# Altium PCB Wireless Security Board.PcbDoc (part 2 of 2)
Units mm, origin at the board's own origin, x right, y up, seen from the top; angles counter-clockwise.
Board outline 93.12 x 91.81 mm, 4 copper layers (Top Layer, GROUND, POWER, Bottom Layer), stack 1.369 mm thick; 128 components, 88 nets, 455 pads, 172 vias.
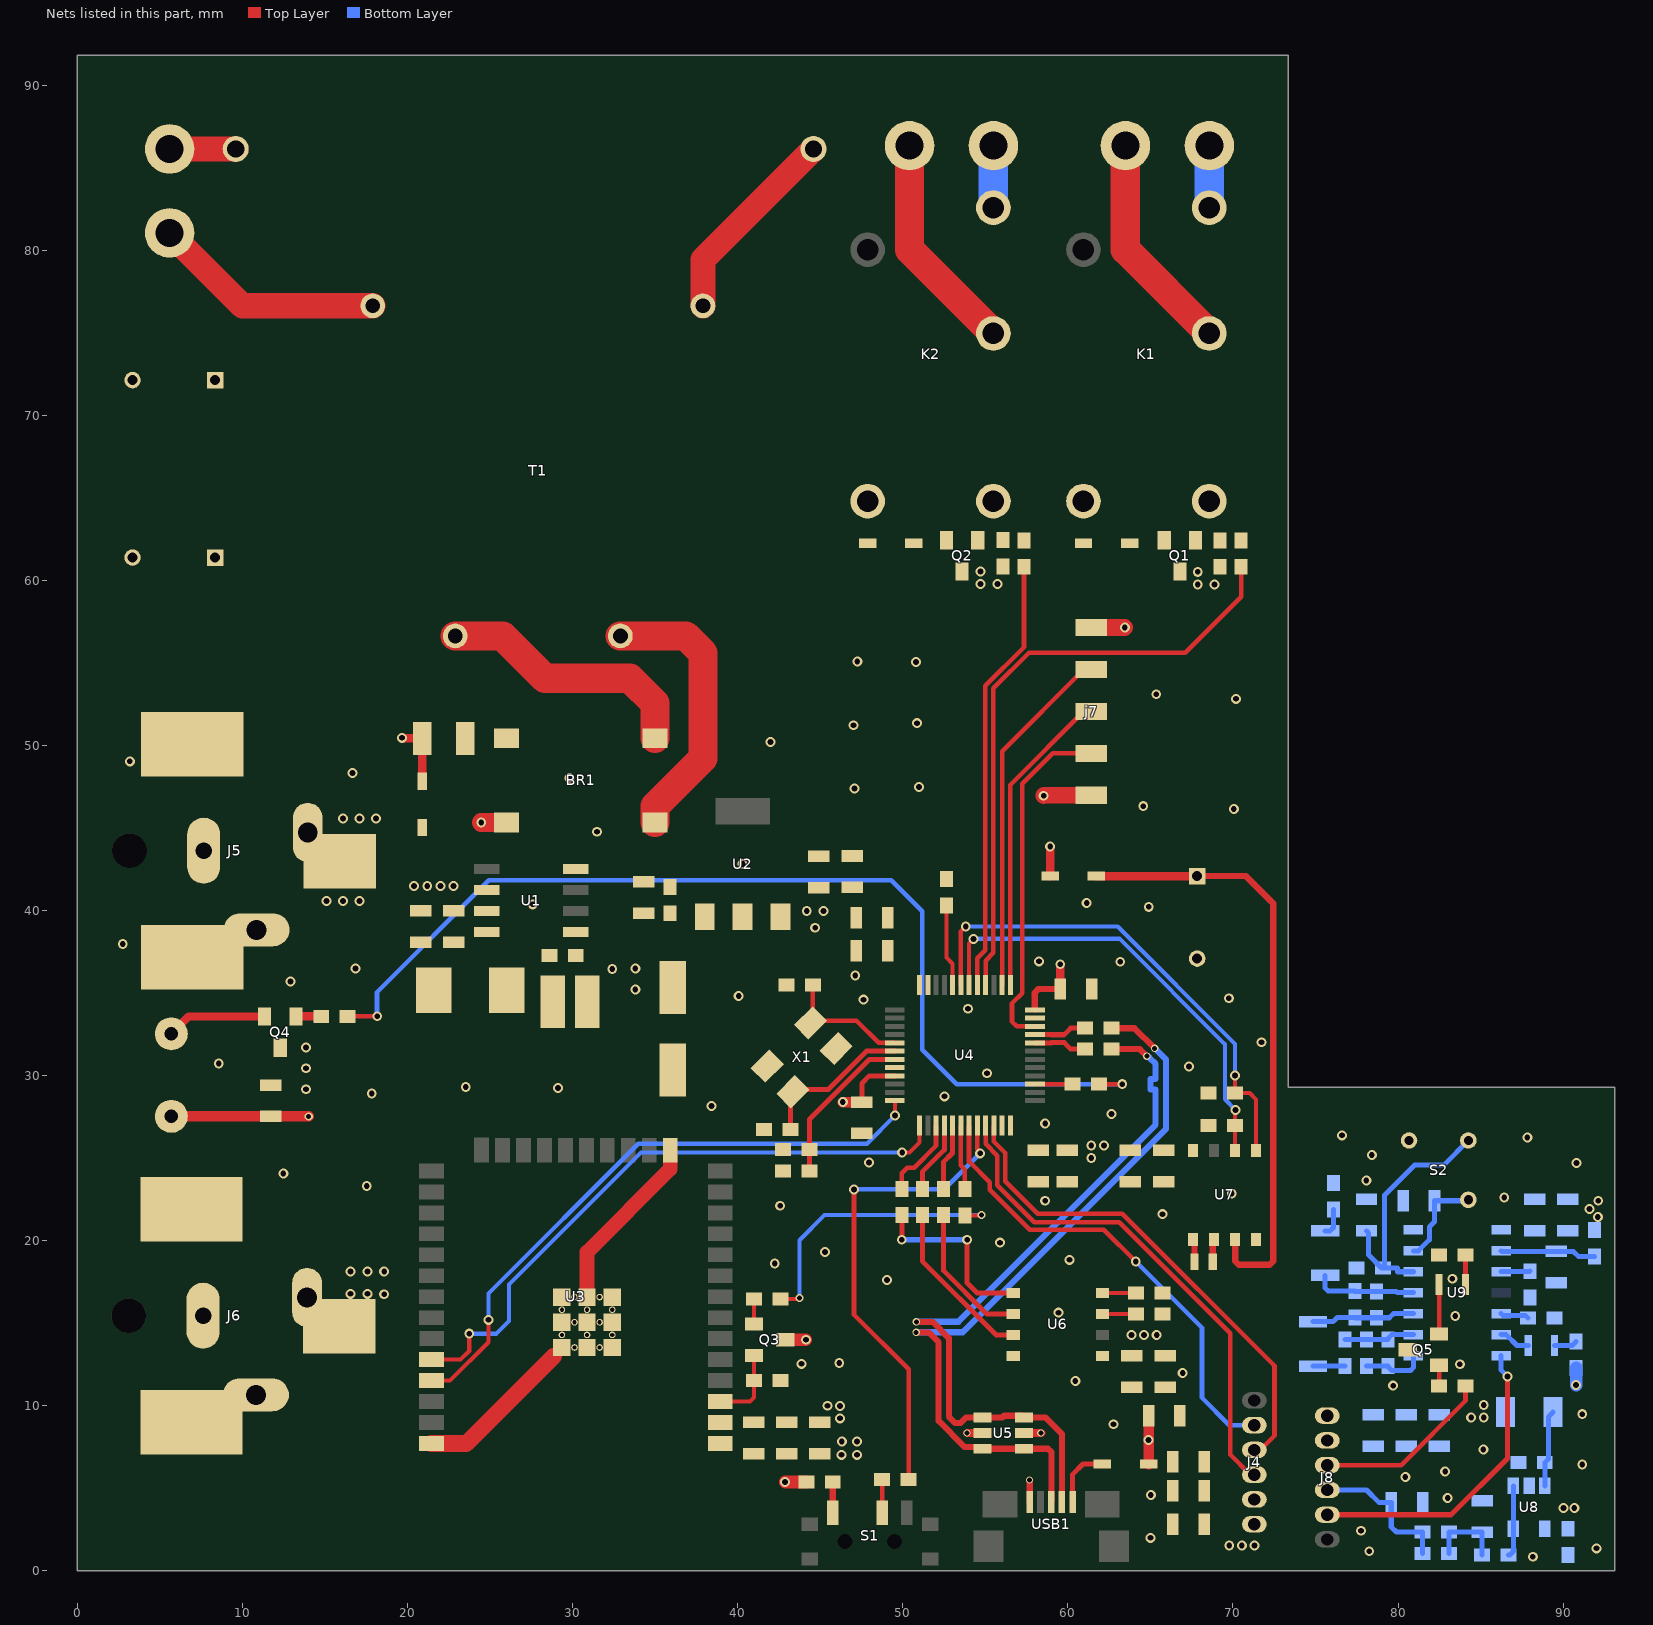
[diagram p4: the nets of this part, all layers, seen from the top]

## Via types
v1: diameter 0.6, hole 0.35, Top Layer to Bottom Layer, tented both sides, 162 vias
v2: diameter 0.45, hole 0.3, Top Layer to Bottom Layer, tented both sides, 7 vias
v3: diameter 0.5, hole 0.3, Top Layer to Bottom Layer, tented both sides, 3 vias

## Nets (pads, with @x,y where several pads share a name; then routed paths per layer and width w, separated by ;. In a path a pad name is that pad's centre, name@x,y a point inside that pad or via, vN(x,y) a via of type N, cw(c..) or ccw(c..) an arc to the next point about the centre after c; other vN are vias at no path point)
3V3DC: C5.2 C6.2 C10.2 C11.2 C12.2 C14.2 C18.2 C19.2 C20.2 C21.2 C22.2 C23.2 C25.2 C26.2 C27.2 C29.2 C30.2 C31.2 D6.2 J4.1 j7.1 R8.1 R16.2 R17.2 R18.2 R19.2 R23.2 U2.3 U3.2 U4.9 U4.24 U4.36 U4.48 U5.5 U6.5 U7.8 | length 15.6
  Top Layer w0.254: j7.1@61.378,46.965 j7.1@61.404,46.99
  Top Layer w0.305: C26.2@47.523,28.407 47.523,29.54 47.975,29.992 U4.9@49.512,29.992
  Top Layer w0.381: U4.36@57.989,34.032 57.989,35.032 58.212,35.255 C22.2@59.538,35.255
  Top Layer w0.508: U5.5@57.333,8.357 v2@58.38,8.357 ; D6.2@58.922,42.088 58.922,43.885 v1(58.928,43.891) ; C22.2@59.538,35.255 v1(59.538,36.754)
  Top Layer w0.635: v1(46.365,28.407) C26.2@47.523,28.407
  Top Layer w0.762: v1(42.868,5.392) R23.2@44.154,5.392
  Top Layer w1.016: v1(58.534,46.965) 58.559,46.99 61.366,46.99 j7.1@61.378,46.978
  other v1: 69.774,1.549 70.536,1.549 71.298,1.549 46.203,9.246 45.441,10.008 46.201,9.998 63.856,14.3 64.618,14.3 65.38,14.3 61.417,25.019 61.417,25.781 62.179,25.781 44.691,38.964 44.183,39.98 45.199,39.98
  other v2: 58.365,8.358
3V3DC_S: C38.2 C42.2 C43.2 C44.2 C45.2 C46.2 J8.1 R34.2 R36.2 R38.2 RT1.2 U8.5 U9.14 | length 1.1
  Bottom Layer w0.762: R34.2@90.788,12.307 v1(90.788,11.269) v1@90.805,11.252
  other v1: 90.018,3.81 90.678,3.81 84.43,9.296 85.192,9.296 85.192,10.058 92.1,21.438 91.592,21.92 92.126,22.428
5VDC: BZ1.1 C2.2 C3.2 C7.2 C13.2 C24.2 D5.1 J6.1 L1.2 U1.4 U2.1 | length 11.2
  Top Layer w0.508: BZ1.1@5.688,27.542 BZ1.1@5.696,27.534
  Top Layer w0.635: BZ1.1@5.696,27.534 C24.2@11.721,27.534 v3(14.007,27.534) ; C13.2@64.887,9.398 64.887,6.478 D5.1@64.888,6.477
  other v1: 64.887,7.938 18.579,16.764 16.547,16.789 17.563,16.789 16.547,18.136 17.563,18.136 18.579,18.136 33.794,35.23 32.397,36.474 33.794,36.5
12VDC: C1.2 C47.2 D2.1 D3.1 D4.1 J5.1 K1.5 K2.5 U1.7
  other v1: 15.088,40.587 16.088,40.587 17.088,40.587 20.388,41.487 21.188,41.487 21.988,41.487 22.788,41.487 16.088,45.587 17.088,45.587 18.088,45.587
"AC LİNE 1": j1.2 R1.1 | length 4
  Top Layer w1.524: j1.2@5.588,86.142 R1.1@9.588,86.142
"AC LİNE 2": j1.1 T1.1 | length 14.1
  Top Layer w1.524: j1.1@5.588,81.062 10.008,76.642 T1.1@17.888,76.642
BUZZER: R13.2 R14.1 | length 62.7
  Top Layer w0.279: R14.1@16.37,33.604 v1(18.161,33.604) ; R13.2@61.899,29.477 R13.2@61.886,29.489 v1@63.297,29.489
  Bottom Layer w0.279: v1@18.148,33.604 18.148,35.064 24.925,41.842 49.294,41.842 51.181,39.954 51.181,31.572 53.264,29.489 v1(63.292,29.489)
GND: BR1.4 C1.1 C2.1 C3.1 C5.1 C6.1 C7.1 C8.2 C9.2 C10.1 C11.1 C12.1 C13.1 C14.1 C15.1 C16.1 C17.1 C18.1 C19.1 C20.1 C21.1 C22.1 C23.1 C24.1 C25.1 C26.1 C27.1 C28.2 C29.1 C30.1 C31.1 C47.1 D1.1 J4.2 J5.2 J5.3 J6.2 J6.3 j7.5 Q1.3 Q2.3 Q3.3 Q4.3 R4.1 R5.1 R6.1 R7.1 U1.6 U2.2 U3.1 U3.15 U3.38 U3.39 U3.40 U4.8 U4.23 U4.35 U4.47 U5.2 U6.4 U7.4 USB1.5 X1.2 X1.4 | length 27.7
  Top Layer w0.381: USB1.5@57.688,4.177 v2@57.688,5.512
  Top Layer w0.508: U1.6@24.788,41.247 U1.6@24.8,41.236 ; v2@53.902,8.357 U5.2@54.833,8.357
  Top Layer w0.762: Q3.3@42.882,14.006 v1(44.13,14.006)
  Top Layer w0.889: U3.39@30.873,16.59 30.873,19.318 35.908,24.353 U3.15@35.908,25.484
  Top Layer w1.016: U3.38@21.443,7.724 23.554,7.724 28.837,13.007 ; j7.5@61.404,57.15 v1(63.449,57.15)
  Top Layer w1.143: v1(24.46,45.342) BR1.4@25.988,45.342
  other v1: 64.999,2.007 65.024,4.597 46.279,7.036 47.219,7.036 46.304,7.849 47.219,7.849 62.763,8.89 60.452,11.506 66.954,11.989 43.866,12.548 46.152,12.598 59.436,15.646 49.047,17.628 42.24,18.618 60.096,18.847 45.288,19.329 55.88,19.888 65.735,21.615 42.57,22.123 58.623,22.428 69.926,22.86 17.526,23.317 12.471,24.079 47.955,24.74 58.623,27.102 62.636,27.686 38.405,28.169 52.527,28.753 17.831,28.931 13.843,29.185 29.108,29.261 23.52,29.312 55.093,30.15 13.843,30.455 67.335,30.556 8.56,30.734 13.843,31.712 71.73,32.029 53.95,34.061 47.612,34.607 69.748,34.696 40.056,34.823 12.903,35.712 47.117,36.068 16.84,36.5 63.17,36.906 58.242,36.932 2.743,37.973 64.897,40.234 27.584,40.386 61.138,40.462 40.296,42.824 31.471,44.78 70.053,46.152 64.567,46.33 47.066,47.396 50.978,47.498 29.82,48.031 16.662,48.336 3.175,49.047 41.986,50.216 47.015,51.232 50.851,51.359 70.18,52.832 65.354,53.111 50.8,55.067 47.244,55.093 67.869,59.766 68.885,59.766 54.712,59.792 55.728,59.792 67.869,60.528 54.712,60.554
  other v2: 57.674,5.513 53.887,8.358
GND_S: C35.1 C37.1 C38.1 C39.1 C40.1 C41.1 C42.1 C43.1 C44.1 C45.1 C46.1 J8.2 Q5.3 R24.1 R25.1 R29.1 R33.1 R35.1 S2.3 U8.2 U9.7
  other v1: 88.163,0.864 78.257,1.194 92.024,1.372 77.749,2.438 83.007,4.42 80.442,5.69 82.855,6.02 91.161,6.452 85.166,7.366 91.161,9.5 79.705,11.227 83.744,12.522 83.464,15.443 83.287,17.704 86.436,22.631 78.08,23.647 90.805,24.714 78.41,25.197 87.833,26.264 76.606,26.391
LED_S: J8.3 R37.1 | length 10.9
  Top Layer w0.279: J8.3@75.713,6.407 80.194,6.407 84.088,10.301 R37.1@84.088,11.207
LIGHT_1_GND: j2.2 K1.3 | length 3.8
  Bottom Layer w1.778: K1.3@68.563,82.587 68.566,82.59 68.566,86.339 j2.2@68.568,86.342
LIGHT_1_VCC: j2.1 K1.2 | length 13.5
  Top Layer w1.778: j2.1@63.483,86.342 63.483,80.047 K1.2@68.563,74.967
LIGHT_2_GND: j3.2 K2.3 | length 3.8
  Bottom Layer w1.778: K2.3@55.488,82.587 j3.2@55.488,86.342
LIGHT_2_VCC: j3.1 K2.2 | length 13.5
  Top Layer w1.778: j3.1@50.408,86.342 50.408,80.047 K2.2@55.488,74.967
MCU_N: R11.2 U4.32 | length 3.2
  Top Layer w0.305: U4.32@58.012,31.992 58.993,31.992 59.002,32 59.782,32 60.173,31.61 R11.2@61.036,31.61
MCU_P: R12.2 U4.33 | length 3.2
  Top Layer w0.305: U4.33@58.012,32.492 58.993,32.492 59.002,32.483 59.775,32.483 60.173,32.88 R12.2@61.036,32.88
NetBR1_1: BR1.1 T1.7 | length 16.9
  Top Layer w1.778: T1.7@32.888,56.642 36.855,56.642 37.897,55.6 37.897,49.231 34.988,46.323 BR1.1@34.988,45.342
NetBR1_2: BR1.2 T1.9 | length 15.9
  Top Layer w1.778: T1.9@22.888,56.642 25.756,56.642 28.321,54.077 33.477,54.077 34.988,52.566 BR1.2@34.988,50.442
NetBR1_3: BR1.3 F1.1
NetBZ1_2: BZ1.2 Q4.2 | length 6.1
  Top Layer w0.508: BZ1.2@5.688,32.542 6.738,33.592 Q4.2@11.338,33.592
NetC4_1: C4.1 D1.2 L1.1 U1.8
NetC4_2: C4.2 U1.1
NetC8_1: C8.1 C9.1 D2.2 F1.2 | length 3.8
  Top Layer w0.508: v1(19.66,50.47) 19.677,50.452 19.942,50.452 19.957,50.437 F1.2@20.888,50.437 20.888,49.056 D2.2@20.888,47.842
NetC16_2: C16.2 U4.5 X1.3 | length 7.9
  Top Layer w0.279: X1.3@44.405,33.204 44.552,33.351 44.529,33.373 44.529,34.014 44.552,34.037 C16.2@44.552,35.484 ; X1.3@44.529,33.328 47.195,33.328 48.531,31.992 U4.5@49.512,31.992
NetC17_2: C17.2 U4.6 X1.1 | length 9.5
  Top Layer w0.305: C17.2@43.192,26.746 43.192,28.211 43.344,28.364 X1.1@43.344,29.032 43.468,29.156 45.464,29.156 47.8,31.492 U4.6@49.512,31.492
NetC28_1: C28.1 D6.1 U7.3 | length 36.9
  Top Layer w0.381: C28.1@67.83,42.099 70.779,42.099 72.441,40.437 72.441,18.773 72.218,18.55 70.353,18.55 70.129,18.773 U7.3@70.129,20.076
  Top Layer w0.508: D6.1@61.722,42.088 67.819,42.088 C28.1@67.83,42.099
NetC32_1: C32.1 C33.2 R26.2 U9.3 | length 6.3
  Bottom Layer w0.305: C32.1@74.838,15.107 76.069,15.107 76.319,15.357 R26.2@77.388,15.357 ; R26.2@77.406,15.339 79.476,15.339 79.724,15.587 U9.3@80.928,15.587
NetC32_2: C32.2 R27.1 | length 1.9
  Bottom Layer w0.305: C32.2@74.838,12.407 R27.1@76.775,12.407
NetC33_1: C33.1 C34.2 R26.1 U9.4 | length 6.2
  Bottom Layer w0.305: C34.2@75.588,17.907 75.588,17.136 75.767,16.957 R26.1@77.388,16.957 77.406,16.939 C33.1@78.701,16.939 79.875,16.939 79.957,16.857 U9.4@80.928,16.857
NetC34_1: C34.1 R24.2 | length 1.7
  Bottom Layer w0.305: C34.1@75.588,20.607 75.891,20.607 76.088,20.805 R24.2@76.088,21.907
NetC35_2: C35.2 S2.1 U9.6 | length 5.8
  Bottom Layer w0.305: U9.6@80.928,19.397 81.228,19.397 81.894,20.062 81.894,20.84 82.206,21.153 C35.2@82.206,22.428 84.202,22.428 S2.1@84.259,22.486
NetC36_1: C36.1 R27.2 R28.1 U9.2 | length 4.3
  Bottom Layer w0.305: R27.2@76.782,14.014 C36.1@78.082,14.014 R28.1@79.382,14.014 79.382,14.076 79.623,14.317 U9.2@80.928,14.317
NetC36_2: C36.2 R28.2 U9.1 | length 3.8
  Bottom Layer w0.305: C36.2@78.082,12.414 R28.2@79.382,12.414 79.382,12.381 79.623,12.14 80.75,12.14 80.928,12.318 U9.1@80.928,13.047
NetC37_2: C37.2 R29.2 S2.2 U9.5 | length 15.6
  Bottom Layer w0.305: C37.2@78.088,20.607 78.221,20.474 78.221,19.135 79,18.357 R29.2@79.177,18.357 ; U9.5@80.928,18.127 79.957,18.127 79.957,18.352 79.952,18.357 R29.2@79.177,18.357 ; S2.2@84.259,26.078 82.761,24.58 80.991,24.58 79.177,22.766 R29.2@79.177,18.357
NetC39_2: C39.2 R30.2 R31.1 R32.1 | length 4.7
  Bottom Layer w0.305: R32.1@83.088,1.057 R31.1@83.088,2.357 C39.2@85.088,2.357 R30.2@85.088,0.957
NetC41_2: C41.2 R36.1 U9.13 | length 5.8
  Bottom Layer w0.305: U9.13@86.248,19.397 86.288,19.357 90.619,19.357 90.919,19.057 R36.1@91.888,19.057
NetD3_2: D3.2 K2.4 Q2.2
NetD4_2: D4.2 K1.4 Q1.2
NetD5_2: D5.2 USB1.1 | length 3.7
  Top Layer w0.305: USB1.1@60.288,4.177 60.288,5.856 60.909,6.477 D5.2@62.088,6.477
NetD7_1: D7.1 U9.9 | length 1.9
  Bottom Layer w0.305: U9.9@86.248,14.317 86.548,14.317 87.208,13.657 D7.1@87.888,13.657
NetD7_2: D7.2 R34.1 | length 1.4
  Bottom Layer w0.305: D7.2@89.488,13.657 90.547,13.657 90.788,13.898 R34.1@90.788,13.907
NetD8_1: D8.1 Q5.2 | length 3
  Top Layer w0.279: Q5.2@82.488,14.357 D8.1@82.488,17.357
NetD8_2: D8.2 R38.1 | length 1.8
  Top Layer w0.279: R38.1@84.086,19.126 84.086,18.352 84.088,18.349 D8.2@84.088,17.357
NetJ4_3: J4.3 U4.21 | length 31.1
  Top Layer w0.279: U4.21@55.012,26.992 55.012,25.872 55.728,25.156 55.728,23.368 57.96,21.136 63.099,21.136 66.469,17.766 69.825,14.41 69.825,7.054 71.048,5.83 J4.3@71.298,5.83
NetJ4_4: J4.4 U4.22 | length 30.4
  Top Layer w0.279: U4.22@55.512,26.992 55.512,26.018 56.21,25.32 56.21,23.597 58.166,21.641 63.297,21.641 72.517,12.421 72.517,8.191 71.656,7.33 J4.4@71.298,7.33
NetJ4_5: J4.5 U4.19 | length 28.8
  Top Layer w0.279: U4.19@54.012,26.992 54.012,24.804 55.27,23.546 55.27,23.089 57.68,20.679 62.176,20.679 v1(64.11,18.745)
  Bottom Layer w0.279: v1(64.11,18.745) 68.123,14.732 68.123,10.49 69.783,8.83 J4.5@71.298,8.83
Netj7_2: j7.2 U4.34 | length 21.1
  Top Layer w0.279: U4.34@58.007,32.997 56.893,32.997 56.617,33.274 56.617,34.397 57.226,35.007 57.226,47.681 59.075,49.53 j7.2@61.404,49.53
Netj7_3: j7.3 U4.37 | length 18.9
  Top Layer w0.279: U4.37@56.512,35.492 56.512,47.613 60.969,52.07 j7.3@61.404,52.07
Netj7_4: j7.4 U4.38 | length 21.6
  Top Layer w0.279: U4.38@56.012,35.492 56.012,49.653 60.969,54.61 j7.4@61.404,54.61
NetQ1_1: Q1.1 R2.2 R4.2
NetQ2_1: Q2.1 R3.2 R5.2
NetQ3_1: Q3.1 R9.2 | length 1.5
  Top Layer w0.254: Q3.1@40.982,14.956 R9.2@40.982,16.485
NetQ4_1: Q4.1 R14.2 | length 1.5
  Top Layer w0.508: Q4.1@13.251,33.604 R14.2@14.769,33.604
NetQ5_1: Q5.1 R37.2 | length 1.3
  Top Layer w0.279: R37.2@82.488,11.207 Q5.1@82.488,12.457
NetR1_2: R1.2 T1.5 | length 12.3
  Top Layer w1.524: T1.5@37.888,76.642 37.888,79.442 R1.2@44.588,86.142
NetR2_1: R2.1 U4.40 | length 37.3
  Top Layer w0.279: U4.40@55.012,35.492 55.012,36.966 55.486,37.44 55.486,53.467 57.645,55.626 67.107,55.626 70.497,59.016 R2.1@70.497,60.833
NetR3_1: R3.1 U4.41 | length 26.5
  Top Layer w0.279: U4.41@54.512,35.492 54.512,37.122 54.991,37.6 54.991,53.619 57.34,55.968 R3.1@57.34,60.833
NetR7_2: R7.2 U4.44 | length 5
  Top Layer w0.254: R7.2@52.638,40.322 52.638,37.161 53.012,36.787 U4.44@53.012,35.492
NetR10_1: R10.1 U4.18 | length 4
  Top Layer w0.279: U4.18@53.512,26.992 53.512,24.567 53.761,24.318 R10.1@53.761,23.142
NetR13_1: R13.1 U4.27 | length 2.3
  Top Layer w0.279: U4.27@58.012,29.492 59.42,29.492 59.423,29.489 R13.1@60.286,29.489
NetR15_2: R15.2 S1.2 | length 2
  Top Layer w0.254: S1.2@48.748,3.53 R15.2@48.748,5.541
NetR16_1: R16.1 U6.7 | length 2
  Top Layer w0.254: U6.7@62.088,15.571 62.869,15.571 R16.1@64.131,15.571
NetR19_1: R19.1 U6.8 | length 2
  Top Layer w0.254: U6.8@62.088,16.841 R19.1@64.138,16.841
NetR20_1: R20.1 U6.3 | length 10.1
  Top Layer w0.305: R20.1@51.181,21.552 51.181,18.771 55.65,14.301 U6.3@56.688,14.301
NetR21_1: R21.1 U6.2 | length 8.7
  Top Layer w0.305: R21.1@52.451,21.552 52.451,18.212 55.092,15.571 U6.2@56.688,15.571
NetR22_1: R22.1 U6.1 | length 11.1
  Top Layer w0.305: v1@49.936,20.091 R22.1@49.936,21.552 ; v1(53.899,20.066) 53.899,17.45 54.507,16.841 U6.1@56.688,16.841
  Bottom Layer w0.305: v1(49.936,20.066) v1(53.899,20.066)
NetR23_1: R23.1 S1.1 | length 1.9
  Top Layer w0.381: S1.1@45.754,3.536 R23.1@45.754,5.392
NetR25_2: R25.2 RT1.1 U8.3 | length 4.7
  Bottom Layer w0.305: U8.3@88.888,5.157 R25.2@88.888,6.557 89.103,6.772 89.103,9.333 RT1.1@89.397,9.627
NetR30_1: R30.1 U8.1 U8.4 | length 4.4
  Bottom Layer w0.305: R30.1@86.688,0.957 86.747,0.957 86.988,1.198 U8.4@86.988,2.557 U8.1@86.988,5.157
NetR33_2: R33.2 U9.10 | length 1.7
  Bottom Layer w0.305: U9.10@86.248,15.587 86.345,15.49 87.71,15.49 R33.2@87.883,15.316
NetR35_2: R35.2 U9.12 | length 1.7
  Bottom Layer w0.305: U9.12@86.25,18.129 87.956,18.129 R35.2@87.986,18.159
NetU7_1: U7.1 X2.1 | length 1.4
  Top Layer w0.381: U7.1@67.589,20.076 67.674,19.991 X2.1@67.674,18.738
NetU7_2: U7.2 X2.2 | length 1.4
  Top Layer w0.381: X2.2@68.774,18.738 68.774,19.991 U7.2@68.859,20.076
NRST: C15.2 R6.2 U4.7 | length 9.8
  Top Layer w0.305: C15.2@44.348,24.232 R6.2@44.348,25.544 44.348,27.356 47.984,30.992 U4.7@49.512,30.992
PIRDETECT: J8.5 U9.8 | length 18.7
  Top Layer w0.305: J8.5@75.713,3.407 83.214,3.407 86.626,6.819 v1(86.626,11.788)
  Bottom Layer w0.305: U9.8@86.248,13.047 86.248,12.165 v1(86.626,11.788)
RTC_SCL: R17.1 U4.42 U7.6 | length 27.5
  Top Layer w0.254: U4.42@54.012,35.492 54.012,38.02 v1(54.275,38.283) ; U7.6@70.129,25.476 R17.1@70.129,26.993 70.129,27.907 v1(70.155,27.932)
  Bottom Layer w0.254: v1@54.275,38.303 63.119,38.303 69.52,31.902 69.52,28.575 v1@70.159,27.936
RTC_SDA: R18.1 U4.43 U7.5 | length 30.4
  Top Layer w0.254: U4.43@53.512,35.492 53.512,38.741 v1(53.811,39.04) ; v1(70.129,30.015) R18.1@70.129,28.948 71.018,28.948 71.399,28.567 U7.5@71.399,25.476
  Bottom Layer w0.254: v1(53.811,39.04) 63.017,39.04 70.129,31.928 v1(70.129,30.015)
SENSOR_ON/OF: R15.1 U4.20 | length 29.3
  Top Layer w0.279: v1(47.041,23.114) 47.041,15.519 50.352,12.208 R15.1@50.352,5.545 ; U4.20@54.512,26.992 54.512,25.559 54.686,25.385 v1(54.686,25.298)
  Bottom Layer w0.279: v1(47.041,23.114) 52.502,23.114 v1(54.686,25.298)
TEMP_ADC: C40.2 J8.4 R31.2 R32.2 | length 9
  Bottom Layer w0.305: J8.4@75.713,4.907 78.09,4.907 78.857,4.14 C40.2@79.588,4.14 79.588,2.669 79.9,2.357 R31.2@81.488,2.357 R32.2@81.488,1.057
TEMP_IN_CS: R21.2 U4.17 | length 4.1
  Top Layer w0.305: R21.2@52.451,23.152 52.451,24.765 53.012,25.326 U4.17@53.012,26.992
TEMP_IN_SCLK: R22.2 U4.15 | length 5
  Top Layer w0.279: R22.2@49.936,23.152 49.936,24.105 50.267,24.435 50.698,24.435 52.012,25.749 U4.15@52.012,26.992
TEMP_IN_SİO: R20.2 U4.16 | length 4.4
  Top Layer w0.305: R20.2@51.181,23.152 51.181,24.181 52.512,25.512 U4.16@52.512,26.992
USB_N: R11.1 U5.1 U5.6 USB1.2 | length 45.5
  Top Layer w0.373: v2(50.822,15.088) 51.809,15.088 52.795,14.102 52.795,9.348 53.18,8.963 53.489,8.963 53.833,9.307 56.037,9.307 56.129,9.399 57.241,9.399 U5.6@57.333,9.307 58.638,9.307 59.638,8.307 USB1.2@59.638,4.177 ; R11.1@62.794,31.615 64.359,31.615 v2(64.783,31.191)
  Bottom Layer w0.373: v2@50.825,15.093 53.371,15.093 65.317,27.039 65.317,28.98 65.317,29.167 65.006,29.167 65.006,29.794 65.317,29.794 65.317,30.721 64.935,31.103 v2@64.846,31.191
USB_P: R12.1 U5.3 U5.4 USB1.3 | length 45.5
  Top Layer w0.373: v2(50.804,14.453) 51.557,14.453 52.167,13.842 52.167,9.088 53.735,7.52 54.72,7.52 U5.3@54.833,7.407 U5.4@57.333,7.407 58.792,7.407 59.011,7.188 59.011,4.81 59.002,4.801 USB1.3@59.002,4.199 ; R12.1@62.636,32.88 64.032,32.88 v2(65.252,31.661)
  Bottom Layer w0.373: v2@50.813,14.466 53.63,14.466 65.944,26.779 65.944,30.98 v2@65.29,31.634
WIFI_EN: R9.1 R10.2 | length 17.3
  Top Layer w0.254: R9.1@42.582,16.485 43.618,16.485 43.669,16.535 v3(43.735,16.535) ; R10.2@53.761,21.542 54.739,21.542 v3(54.762,21.565)
  Bottom Layer w0.254: v3(43.735,16.535) 43.735,20.037 45.263,21.565 v3(54.762,21.565)
WIFI_OUT: Q3.2 R8.2 U3.3 | length 4.7
  Top Layer w0.254: U3.3@38.943,10.264 40.744,10.264 40.982,10.502 R8.2@40.982,11.532 Q3.2@40.982,13.056
WIFI_RXD: U3.34 U4.13 | length 37.9
  Top Layer w0.254: U3.34@21.443,12.804 23.205,12.804 23.736,13.335 v1(23.736,14.376) ; v1(49.962,25.351) 50.395,25.351 51.012,25.968 U4.13@51.012,26.992
  Bottom Layer w0.254: v1(23.736,14.376) 25.375,14.376 26.137,15.138 26.137,17.348 34.138,25.349 v1(49.962,25.351)
WIFI_TXD: U3.35 U4.12 | length 37.4
  Top Layer w0.254: U3.35@21.443,11.534 22.574,11.534 24.897,13.857 v1@24.897,15.205 ; U4.12@49.512,28.492 49.53,28.474 v1(49.53,27.584)
  Bottom Layer w0.254: v1(24.905,15.213) 24.905,16.816 33.972,25.883 47.828,25.883 v1(49.53,27.584)
pads on no net: J4.6 J5. J6. J8.6 K1.1 K2.1 S1. S1.0 S1.3 U1.2 U1.3 U1.5 U2.4 U3.4 U3.5 U3.6 U3.7 U3.8 U3.9 U3.10 U3.11 U3.12 U3.13 U3.14 U3.16 U3.17 U3.18 U3.19 U3.20 U3.21 U3.22 U3.23 U3.24 U3.25 U3.26 U3.27 U3.28 U3.29 U3.30 U3.31 U3.32 U3.33 U3.36 U3.37 U4.1 U4.2 U4.3 U4.4 U4.10 U4.11 U4.14 U4.25 U4.26 U4.28 U4.29 U4.30 U4.31 U4.39 U4.45 U4.46 U6.6 U7.7 U9.11 USB1.4 USB1.S1 USB1.S2 USB1.S3 USB1.S6

## Polygon pours and split planes (outlines as drawn)
GND on Top Layer "GND_L01_P037" (solid, remove dead copper, pour order 37): 0.965,50.953 2.311,52.299 44.044,52.299 45.466,53.721 45.466,57.404 46.838,58.776 51.156,58.776 72.069,58.776 73,57.845 73,0 65.634,0 64.389,1.245 64.389,5.385 59.258,10.516 17.374,10.516 12.661,5.803 2.325,5.803 0.965,7.163
GND_S on Top Layer "GND_S_L01_P045" (solid, remove dead copper, pour order 45): 75.098,29.299 73.914,28.115 73.914,1.198 75.125,-0.013 92.202,-0.013 93.116,0.901 93.116,28.055 91.871,29.299
3V3DC_S on Top Layer "3V3DC_S_L01_P046" (solid, pour order 46): 77.699,18.339 82.912,18.339 83.113,18.541 83.113,19.667 82.868,19.913 75.285,19.913 74.752,19.38 74.752,9.042 75.108,8.687 76.505,8.687 76.81,8.992 76.81,17.45
GND on Top Layer "GND_L01_P043" (solid, pour order 43): 2.769,73.177 2.362,72.771 2.362,60.858 2.896,60.325 3.759,60.325 4.318,60.884 4.318,72.72 3.861,73.177
GND on Top Layer "GND_L01_P036" (solid, pour order 36): 11.201,32.69 10.617,32.106 10.617,28.804 10.937,28.484 14.158,28.484 14.605,28.931 14.605,32.309 14.224,32.69
3V3DC on Top Layer "Top Layer-3V3DC" (solid, pour order 33): 56.362,25.604 57.328,24.638 61.108,24.638 67.915,24.638 67.915,25.819 68.207,26.111 68.852,26.111 69.09,26.35 69.09,29.289 68.912,29.467 68.171,29.467 67.915,29.211 67.915,27.097 67.21,26.392 65.762,26.392 56.662,26.392 56.662,27.592 56.362,27.592
5VDC on Top Layer "Top Layer-5VDC" (solid, pour order 9): 29.278,42.215 29.425,42.067 31.051,42.067 31.635,41.482 31.635,37.059 30.763,36.186 30.237,36.186 30.042,35.991 30.042,32.983 30.234,32.791 36.791,32.791 37.744,33.745 37.744,36.373 36.855,37.262 36.855,37.897 37.262,38.303 38.532,38.303 38.899,38.671 38.899,40.259 38.468,40.691 33.642,40.691 33.184,40.234 33.184,38.799 33.68,38.303 34.9,38.303 35.306,37.897 35.306,37.338 35.077,37.109 33.845,37.109 32.651,38.303 32.651,42.264 31.989,42.929 29.414,42.942 29.406,42.942 29.278,42.813
3V3DC on Top Layer "3V3DC_L01_P021" (solid, pour order 21): 42.001,38.557 43.573,38.557 45.478,38.557 45.961,39.04 45.961,40.538 48.12,40.538 48.424,40.234 48.424,36.805 48.755,36.474 50.48,36.474 50.862,36.092 50.862,34.892 51.162,34.892 51.162,36.556 50.736,36.982 50.329,36.982 49.923,37.389 49.923,41.529 49.085,42.367 43.583,42.367 41.741,40.525 41.73,38.83
GND_S on Bottom Layer "GND_S_L04_P044" (solid, remove dead copper, pour order 44): 74.885,29.19 73.838,28.143 73.838,0.933 74.893,-0.122 92.29,-0.122 93.141,0.729 93.141,28.137 92.088,29.19
GND on Bottom Layer "Bottom Layer-GND" (solid, pour order 42): 43.917,10.541 44.399,10.058 44.399,6.502 45.11,5.791 47.828,5.791 48.463,6.426 48.463,10.541 59.106,10.541 59.182,10.617 64.338,5.461 64.338,1.219 65.202,0.356 71.806,0.356 72.923,1.473 72.923,57.709 71.73,58.903 47.041,58.903 45.415,57.277 45.415,53.315 44.298,52.197 2.134,52.197 2.057,52.273 0.991,51.206 0.991,7.214 2.235,5.969 12.878,5.969 17.45,10.541
GND on Bottom Layer "GND_L04_P038" (solid, pour order 38): 2.769,73.177 2.362,72.771 2.362,60.858 2.896,60.325 3.759,60.325 4.318,60.884 4.318,72.72 3.861,73.177
3V3DC on POWER (split plane): 11.481,52.502 44.425,52.502 44.425,67.361 72.833,67.361 72.833,29.312 72.842,29.212 72.871,29.117 72.919,29.028 72.982,28.951 73.024,28.917 73.024,0.51 40.165,0.51 40.165,10.49 20.269,10.49 20.269,0.51 0.51,0.51 0.51,77.648 11.481,77.648
5VDC on POWER (split plane): 38.67,38.019 38.67,21.285 38.676,21.223 38.694,21.163 38.724,21.108 38.763,21.06 41.43,18.393 41.479,18.353 41.534,18.323 41.594,18.305 41.656,18.299 57.627,18.299 66.864,9.063 66.864,6.482 66.594,6.212 64.293,6.212 58.823,11.681 58.775,11.721 58.72,11.75 58.66,11.768 58.598,11.774 13.569,11.774 12.054,13.289 12.054,22.733 12.048,22.795 12.03,22.855 12,22.91 11.96,22.959 10.69,24.229 10.642,24.268 10.587,24.298 10.527,24.316 10.465,24.322 5.365,24.322 4.027,25.659 4.027,28.316 5.085,29.374 17.856,29.374 17.918,29.38 17.978,29.398 18.033,29.427 18.082,29.467 29.368,40.753 35.936,40.753
3V3DC_S on POWER (split plane): 92.605,0.51 74.27,0.51 74.27,28.802 92.605,28.802
12VDC on POWER (split plane): 58.069,65.533 58.069,61.787 58.075,61.725 58.094,61.665 58.123,61.61 58.163,61.561 58.763,60.961 58.811,60.922 58.866,60.892 58.926,60.874 58.988,60.868 65.124,60.868 65.186,60.874 65.246,60.892 65.301,60.922 65.35,60.961 66.342,61.954 66.381,62.002 66.411,62.057 66.429,62.117 66.435,62.179 66.435,65.501 67.391,66.458 69.718,66.458 70.769,65.406 70.769,62.019 65.051,56.301 56.236,56.301 56.173,56.295 56.114,56.276 56.058,56.247 56.01,56.207 51.823,52.02 51.818,52.014 51.812,52.009 45.677,45.252 31.623,45.252 31.561,45.246 31.501,45.227 31.446,45.198 31.397,45.158 25.522,39.283 14.844,39.283 12.907,41.219 12.907,46.255 13.62,46.968 24.833,46.968 24.896,46.974 24.955,46.992 25.011,47.022 25.059,47.061 27.64,49.643 45.663,49.643 45.725,49.649 45.785,49.667 45.84,49.697 45.889,49.736 52.914,56.761 52.954,56.81 52.983,56.865 53.001,56.925 53.007,56.987 53.007,65.383 54.234,66.61 56.992,66.61
GND on GROUND (split plane): 11.481,52.502 44.425,52.502 44.425,67.31 72.833,67.31 72.833,29.312 72.842,29.212 72.871,29.117 72.919,29.028 72.982,28.951 73.024,28.917 73.024,0.51 40.165,0.51 40.165,10.49 20.269,10.49 20.269,0.51 0.51,0.51 0.51,77.648 11.481,77.648
GND_S on GROUND (split plane): 92.605,0.51 74.458,0.51 74.458,28.802 92.605,28.802

## Keep-outs
Keep-Out Layer:
  lines w0.254: 0,0 0,91.808 ; 0,0 93.116,0 ; 0,0 93.116,0 ; 0,0 0,91.808 ; 0,91.808 73.337,91.808 ; 0,91.808 73.337,91.808 ; 73.337,91.808 73.343,91.768 ; 73.337,91.808 73.343,91.768 ; 73.343,29.312 73.343,91.768 ; 73.343,29.312 93.116,29.312 ; 73.343,29.312 73.343,91.768 ; 73.343,29.312 93.116,29.312 ; 93.116,0 93.116,29.312 ; 93.116,0 93.116,29.312

## Other copper
Top Layer:
  region: 50.978,45.39 ccw(c50.978,44.882) 50.47,44.882 ccw(c50.978,44.882) 50.978,44.374 ccw(c50.978,44.882) 51.486,44.882 ccw(c50.978,44.882) 50.978,45.39
  pour cut-out: 20.693,7.274 20.693,24.684 22.243,26.234 38.143,26.234 39.693,24.684 39.693,9.814 38.408,9.814 37.73,9.136 37.73,6.716 37.033,6.02 21.947,6.02
  region net PIRDETECT: 74.744,3.734 75.055,4.045 76.304,4.045 76.911,3.439 76.911,3.372 76.312,2.773 75.055,2.773 74.751,3.076
  region net LED_S: 74.744,6.734 75.055,7.045 76.304,7.045 76.911,6.439 76.911,6.372 76.312,5.773 75.055,5.773 74.751,6.076
  pour cut-out: 73.381,8.534 72.86,8.534 71.755,7.429 71.755,5.111 71.84,5.025 73.351,5.025 73.355,5.029
  pour cut-out: 67.575,18.06 69.202,18.06 69.202,19.415 69.212,19.415 69.295,19.498 70.557,19.498 70.557,18.267 70.587,18.237 70.597,18.248 72.52,18.248 72.52,28.782 73.101,29.364 73.101,12.09 72.847,12.09 67.229,17.709
  pour cut-out: 58.534,46.222 57.582,46.222 57.582,46.558 57.796,46.772 57.816,46.772
  pour cut-out: 62.537,48.832 62.537,47.688 61.925,47.688 61.925,48.299 61.925,48.311 61.925,48.832
  pour cut-out: 62.537,51.372 62.537,50.228 62.015,50.749 61.747,50.749
  pour cut-out: 62.537,52.768 62.537,53.912 62.142,53.912 61.925,53.696 61.925,52.883
  pour cut-out: 50.571,16.307 49.784,15.519 49.784,13.284 50.727,12.341 50.727,10.516 54.356,10.516 54.381,10.541 54.381,14.122 52.197,16.307
  pour cut-out: 58.012,32.642 58.645,33.274 59.512,33.274 60.223,33.985 65.1,33.985 66.218,32.868 66.218,30.226 65.557,29.566 64.44,29.566 63.322,30.683 58.321,30.683 58.012,30.992
  region net GND: 29.058,17.577 28.524,17.043 28.524,12.794 28.574,12.744 32.785,12.744 33.249,13.208 33.249,16.916 32.614,17.551
  region net GND: 69.825,61.321 69.626,61.519 66.472,61.519 65.888,60.935 65.888,59.461 66.04,59.309 69.342,59.309 69.825,59.792
  region net GND: 56.667,61.346 56.469,61.544 53.315,61.544 52.73,60.96 52.73,59.487 52.883,59.334 56.185,59.334 56.667,59.817
  region net GND: 37.928,6.877 38.193,6.612 45.477,6.612 47.337,6.612 47.346,6.604 47.549,6.807 47.549,7.976 47.334,8.19 45.379,8.19 38.192,8.173 37.928,7.909
  region net 3V3DC: 65.278,17.398 66.316,17.398 66.624,17.09 66.624,12.767 66.431,12.574 63.312,12.574 61.846,12.574 61.585,12.834 61.585,13.228 61.823,13.466 62.463,13.466 63.678,14.681 64.753,14.681 64.931,14.86 64.939,17.059
  region net NetD4_2: 61.467,60.935 65.281,60.935 66.31,61.964 66.31,62.92 66.21,63.02 65.467,63.02 65.387,62.94 65.387,61.959 64.794,61.366 63.119,61.366 61.999,62.486 61.999,64.372 61.999,65.212 61.354,65.857 60.513,65.857 59.899,65.243 59.899,62.503
  region net NetD3_2: 48.386,60.935 52.081,60.935 53.124,61.977 53.123,62.907 52.967,63.063 52.31,63.063 52.139,62.892 52.139,61.792 51.713,61.366 50.038,61.366 48.918,62.486 48.918,64.372 48.918,65.212 48.273,65.857 47.432,65.857 46.818,65.243 46.818,62.503
  region net NetQ1_1: 67.273,63.113 70.877,63.113 71.064,62.926 71.064,61.972 70.887,61.795 67.324,61.795 67.173,61.946 67.173,63.012
  region net 12VDC: 68.998,63.757 69.613,64.372 69.613,65.242 68.998,65.857 64.225,65.857 63.177,64.809 63.177,62.019 63.321,61.875 64.161,61.875 64.307,62.022 64.307,63.17 64.894,63.757
  region net NetQ2_1: 54.116,63.113 57.72,63.113 57.907,62.926 57.907,61.972 57.729,61.795 54.167,61.795 54.015,61.946 54.015,63.012
  region net 12VDC: 55.923,63.757 56.538,64.372 56.538,65.242 55.923,65.857 51.15,65.857 50.102,64.809 50.102,62.019 50.246,61.875 51.086,61.875 51.232,62.022 51.232,63.17 51.819,63.757
  region net 3V3DC: 46.685,8.679 46.685,10.439 46.507,10.617 45.822,10.617 44.958,10.617 44.73,10.39 44.73,9.78 44.476,9.526 43.065,9.526 43.065,11.925 42.93,12.06 42.234,12.06 42.097,11.922 42.097,9.526 38.275,9.526 38.045,9.296 38.045,8.692 38.244,8.493 46.5,8.493
  region net 3V3DC: 69.115,0.965 71.78,0.965 72.273,1.458 72.273,2.81 71.752,3.33 69.669,3.33 69.063,3.937 69.063,7.01 68.732,7.341 67.742,7.341 67.488,7.087 67.488,2.592
  region net NetC4_2: 29.488,39.143 29.294,38.949 29.294,38.236 29.629,37.901 29.629,36.928 29.804,36.753 30.574,36.753 30.771,36.901 30.771,38.024 31.055,38.307 31.055,38.979 30.881,39.152
  region net NetC4_1: 24.718,39.018 24.024,39.018 23.888,38.882 23.888,33.787 24.388,33.287 27.088,33.287 27.488,32.887 27.488,32.587 27.688,32.387 29.588,32.387 29.788,32.587 29.788,36.187 29.388,36.587 29.388,37.731 29.132,37.987 26.088,37.987 25.888,38.187 25.888,38.678 25.888,38.818 25.688,39.018 25.26,39.018
  region net 5VDC: 13.658,19.641 12.458,18.441 12.458,13.041 14.158,11.341 18.758,11.341 20.258,12.841 20.258,17.541 20.258,19.041 19.658,19.641
  region net 12VDC: 25.588,39.287 25.988,39.687 25.988,40.387 25.688,40.687 23.788,40.687 23.488,40.987 23.488,41.687 23.188,41.987 20.188,41.987 19.788,41.587 19.788,39.687 20.188,39.287
  region net 12VDC: 21.463,45.562 20.738,46.287 16.563,46.287 15.538,47.312 13.538,47.312 12.713,46.487 12.713,41.462 14.188,39.987 18.238,39.987 19.228,40.977 19.228,43.327 19.813,43.912 20.963,43.912 21.463,44.412
  region net NetBR1_3: 22.988,51.887 22.513,51.412 22.513,49.462 23.063,48.912 26.638,48.912 27.113,49.387 27.113,51.387 26.613,51.887
Bottom Layer:
  region net GND: 29.058,17.526 28.55,17.018 28.55,13.411 29.159,12.802 32.766,12.802 33.274,13.31 33.274,16.993 32.715,17.551
  pour cut-out: 20.693,7.274 20.693,24.684 22.243,26.234 38.143,26.234 39.693,24.684 39.693,9.814 38.408,9.814 37.73,9.136 37.73,6.716 37.033,6.02 21.947,6.02
  region net TEMP_ADC: 74.811,5.23 75.121,5.541 76.371,5.541 76.978,4.935 76.978,4.868 76.379,4.269 75.121,4.269 74.818,4.572
  pour cut-out: 81.006,2.751 81.312,3.057 87.338,3.057 87.171,2.89 87.171,0.563 81.106,0.563 81.006,0.663
  pour cut-out: 85.48,16.055 85.658,15.877 88.366,15.877 88.366,14.923 89.006,14.282 91.36,14.282 91.36,11.824 87.771,11.824 86.838,12.757 85.48,12.757
  pour cut-out: 76.438,18.257 73.527,18.257 73.279,18.009 73.279,12.766 75.724,11.753 80.891,11.753 81.696,12.558 81.696,17.837 76.858,17.837
  region net 5VDC: 12.458,13.081 14.261,11.278 14.312,11.328 19.512,11.328 20.498,12.314 20.498,19.152 20.045,19.605 13.703,19.634 12.458,18.39
  region net 3V3DC_S: 85.473,20.217 85.601,20.089 92.286,20.089 92.456,20.259 92.456,22.53 92.253,22.733 91.549,22.733 91.288,22.472 91.288,21.336 85.718,21.336 85.473,21.091
  region net 3V3DC_S: 88.414,2.182 88.856,1.739 90.766,1.739 91.034,2.007 91.034,3.988 90.818,4.204 89.929,4.204 89.649,3.924 89.649,3.518 89.408,3.277 88.722,3.277 88.414,2.968
  region net 3V3DC_S: 74.879,10.084 74.879,9.038 75.19,8.727 87.213,8.727 87.401,8.915 87.401,10.262 87.136,10.527 75.322,10.527
  region net NetC8_1: 8.865,49.327 20.269,49.327 20.763,49.82 20.763,51.475 20.269,51.968 11.125,51.968 9.195,53.899 9.195,72.285 8.838,72.642 7.838,72.642 7.468,72.271 7.468,50.724
  region net 5VDC: 31.787,37.135 31.46,36.807 31.46,35.075 32.346,34.188 34.429,34.188 34.759,34.519 34.759,36.805 34.429,37.135
GROUND (plane layer: these items are gaps in the copper):
  rectangle: 74.803,7.239 76.606,8.636
  rectangle: 70.51,2.337 72.06,5.232
  rectangle: 44.298,67.31 73.337,91.808
  rectangle: 0.224,77.648 45.263,91.808
  rectangle: 11.481,52.502 44.425,78.765
  rectangle: 20.269,0 40.165,10.49
  lines w0.635: 73.343,0.136 73.343,29.312 ; 73.673,0.104 73.673,29.312 ; 74.139,0.155 74.139,29.312
POWER (plane layer: these items are gaps in the copper):
  rectangle: 74.778,7.239 76.606,8.661
  rectangle: 70.307,2.388 72.161,4.877
  rectangle: 0.224,77.648 45.263,91.808
  rectangle: 11.481,52.502 44.425,78.765
  rectangle: 44.298,67.361 73.337,91.808
  rectangle: 20.269,0 40.165,10.49
  lines w0.635: 73.343,0.011 73.343,29.62 ; 73.745,0.103 73.745,29.312 ; 73.951,0 73.951,29.312 ; 3.708,25.527 5.232,24.003 10.465,24.003 11.735,22.733 11.735,13.157 13.437,11.455 21.463,11.455 58.598,11.455 64.16,5.893 66.726,5.893 67.183,6.35 67.183,9.195 57.76,18.618 41.656,18.618 38.989,21.285 38.989,38.151 36.068,41.072 29.235,41.072 17.856,29.693 4.953,29.693 3.708,28.448 3.708,25.527 ; 12.588,41.087 14.712,38.964 22.498,38.964 23.799,38.964 25.654,38.964 31.623,44.933 45.818,44.933 52.048,51.794 56.236,55.982 65.183,55.982 71.088,61.887 71.088,65.538 69.85,66.777 67.259,66.777 66.116,65.634 66.116,62.179 65.124,61.187 58.988,61.187 58.388,61.787 58.388,65.665 57.125,66.929 54.102,66.929 52.688,65.515 52.688,56.987 45.663,49.962 27.508,49.962 24.833,47.287 13.488,47.287 12.588,46.387 12.588,41.087

## Silkscreen, mask and mechanical layers (free items; w line width, h text height)
Top Overlay:
  drawing of 45 lines, arcs and shapes, not listed
  text "Wifi_Sec_Det_v001" at 1.143,0.66 h1
  text "Wifi_Sec_Det_v001" at 92.583,0.356 h1 r90
Bottom Overlay:
  drawing of 14 lines, arcs and shapes, not listed
Top Solder:
  region: 50.978,45.898 ccw(c50.978,44.882) 49.962,44.882 ccw(c50.978,44.882) 50.978,43.866 ccw(c50.978,44.882) 51.994,44.882 ccw(c50.978,44.882) 50.978,45.898
Route Tool Path:
  lines w0.635: 21.336,0.59 38.98,0.59 ; 21.336,1.621 38.865,1.621 ; 21.336,2.795 38.956,2.795 ; 21.36,1.093 39.028,1.093 ; 21.384,2.172 39.028,2.172 ; 21.432,3.227 39.028,3.227 ; 21.5,0.025 21.336,0.189 21.336,3.568 39.028,3.568 39.028,0 ; 73.273,0 73.274,4.414 ; 73.279,5.181 73.279,5.435 ; 73.283,6.202 73.283,6.456 ; 73.288,7.222 73.288,7.476 ; 73.292,8.243 73.292,8.497 ; 73.297,9.263 73.297,12.714 ; 73.302,13.48 73.302,13.734 ; 73.306,14.501 73.306,14.755 ; 73.311,15.521 73.311,15.775 ; 73.315,16.542 73.315,16.796 ; 73.32,17.563 73.32,21.013 ; 73.325,21.779 73.325,22.033 ; 73.329,22.8 73.329,23.054 ; 73.334,23.821 73.334,24.075 ; 73.338,24.841 73.338,25.095 ; 73.343,25.862 73.343,29.312 ; 73.343,29.312 93.116,29.312 93.116,0 73.569,0 0,0 0,91.808 73.337,91.808 73.343,91.802 73.343,29.312

## Text inside footprints (layer, text, board x,y; h text height)
BR1: Top Overlay "~" at 34.888,44.492 h1.52 r90; Top Overlay "~" at 34.888,49.692 h1.52 r90
S2: Top Overlay "G" at 79.263,25.682 h0.75; Top Overlay "S" at 84.863,25.582 h0.75; Top Overlay "D" at 84.863,22.082 h0.75